# Altium PCB BoardM.PcbDoc (part 3 of 6)
Units mil, origin at the board's own origin, x right, y up, seen from the top; angles counter-clockwise.
Board outline 5068.79 x 4143.89 mil, 4 copper layers (Top Layer, GND, VCC, Bottom Layer); 308 components, 198 nets, 1036 pads, 534 vias.
Unrouted connection lines stored in the file: 1.
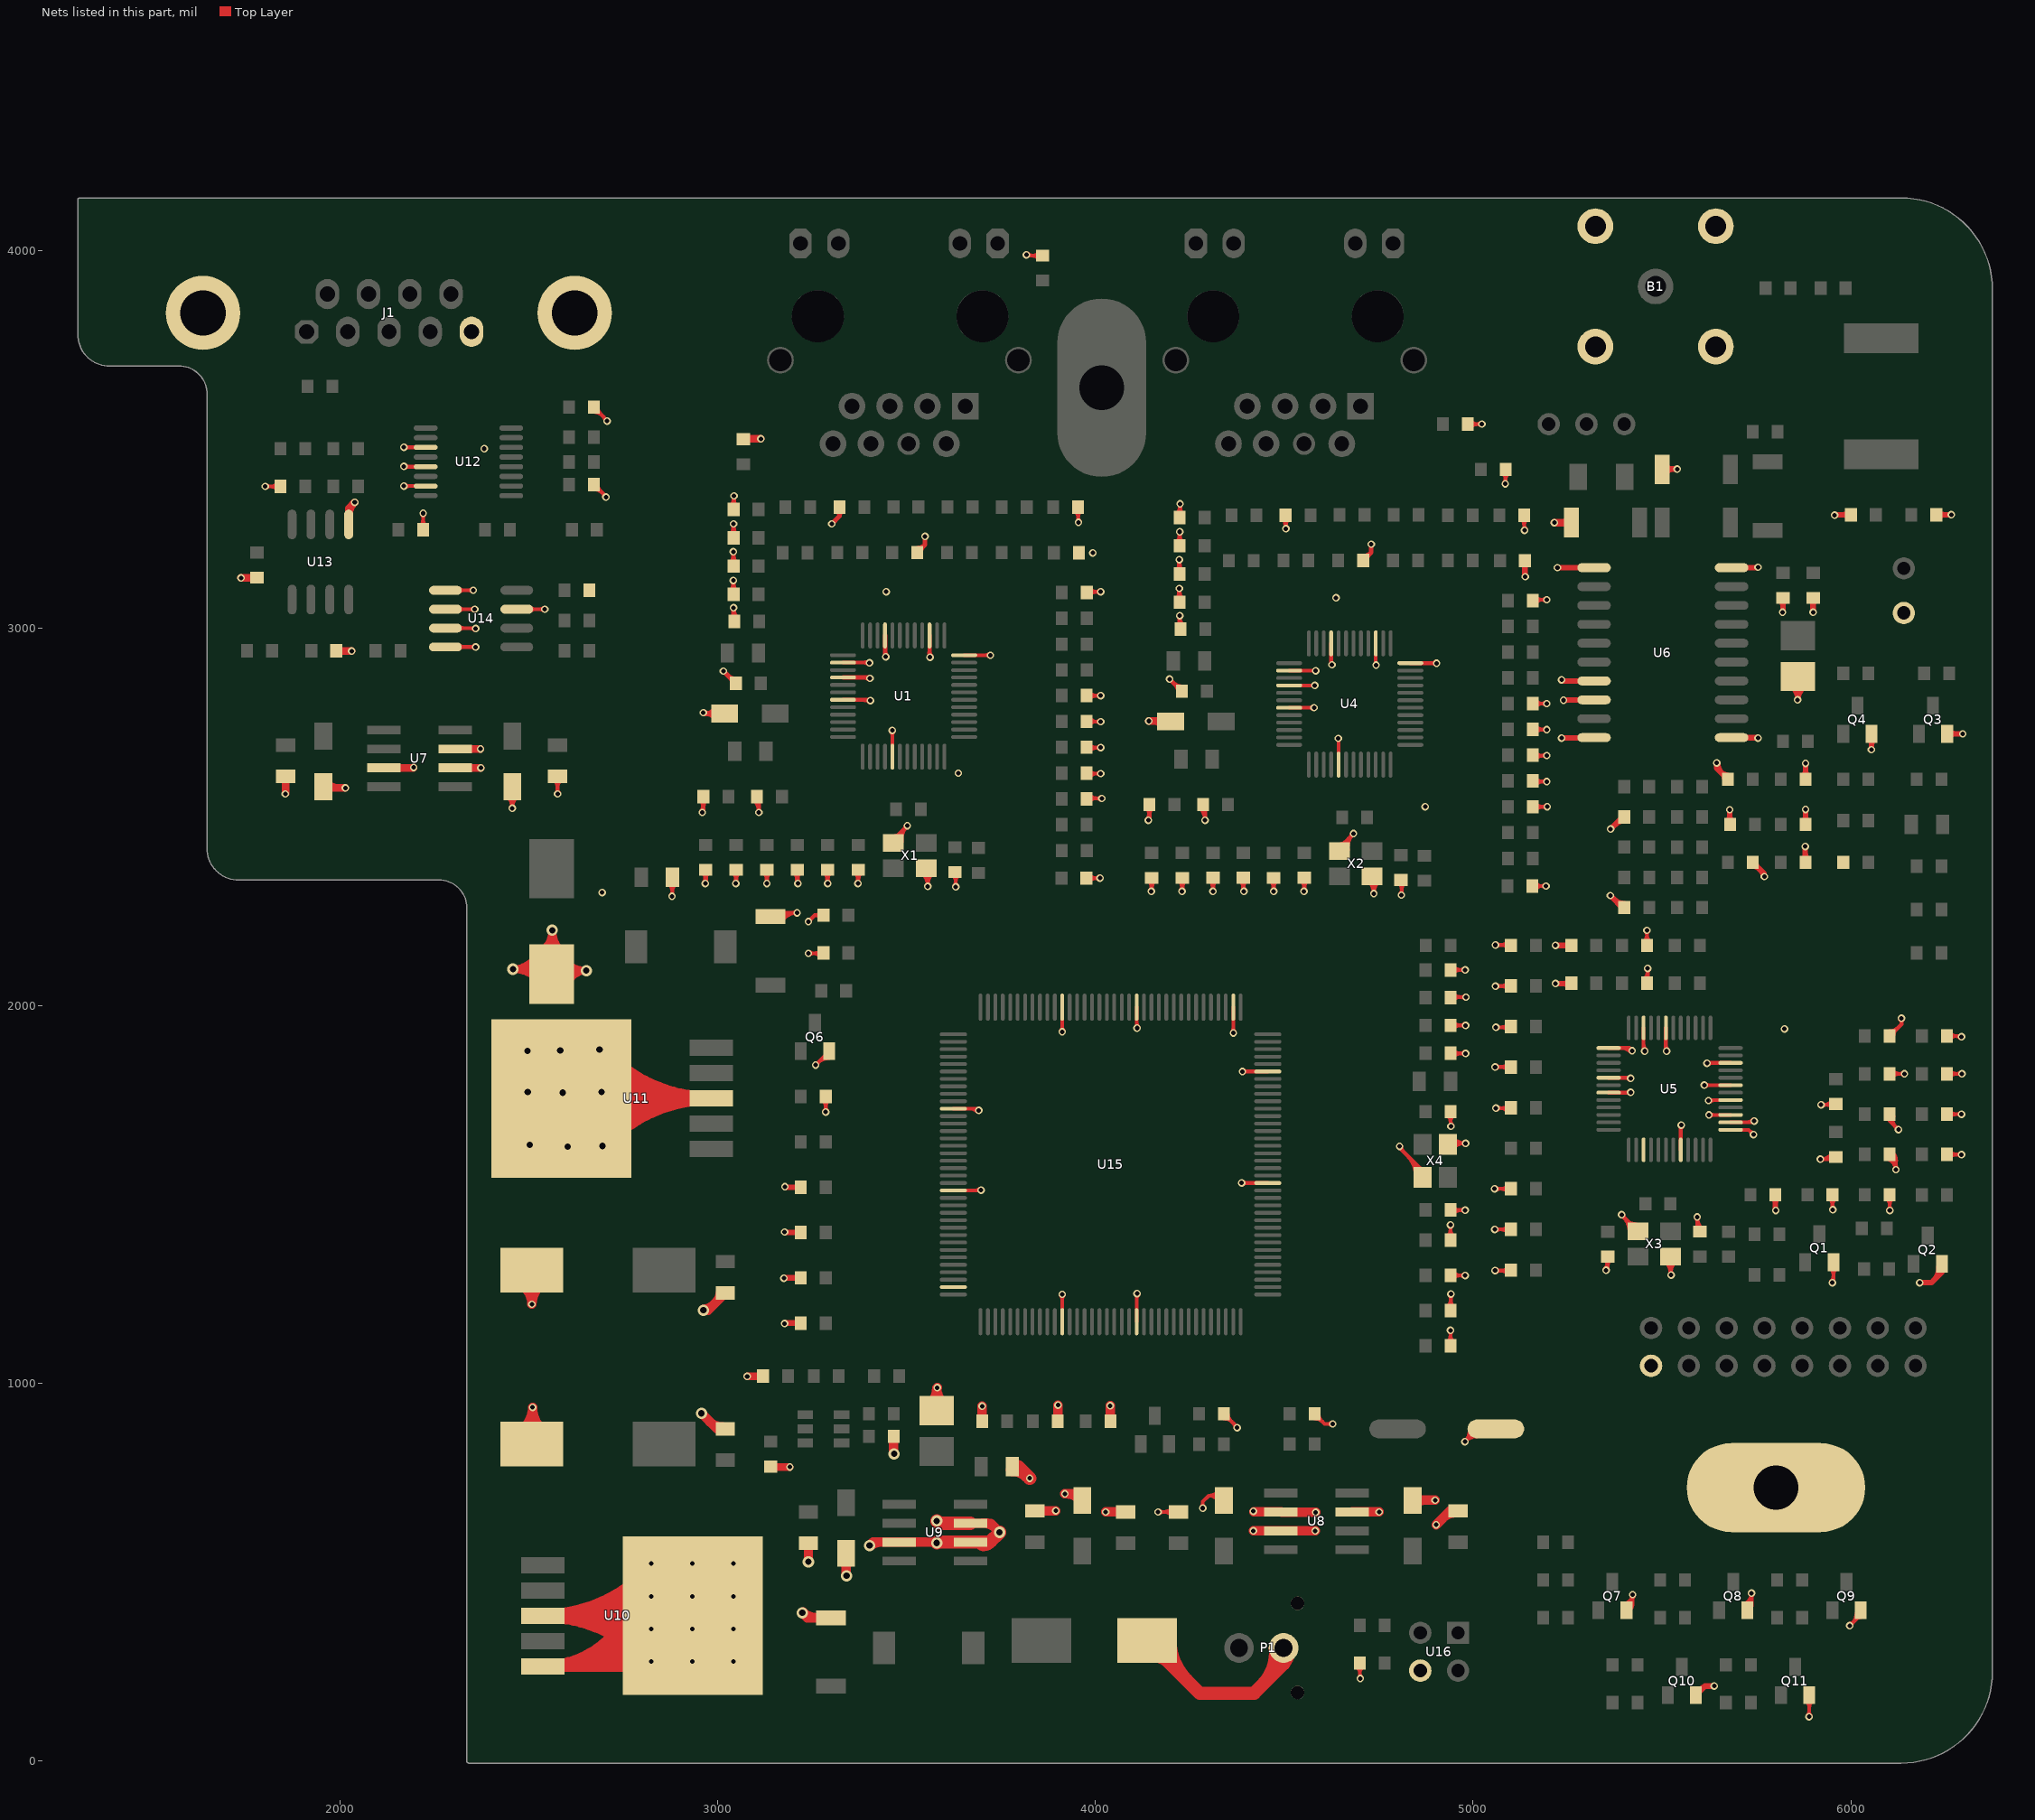
[diagram p5: the nets of this part, all layers, seen from the top]

## Via types
v1: diameter 20, hole 12, Top Layer to Bottom Layer, 480 vias
v2: diameter 30, hole 17, Top Layer to Bottom Layer, 54 vias

## Nets (pads, with @x,y where several pads share a name; then routed paths per layer and width w, separated by ;. In a path a pad name is that pad's centre, name@x,y a point inside that pad or via, vN(x,y) a via of type N, cw(c..) or ccw(c..) an arc to the next point about the centre after c; other vN are vias at no path point) (continued)
GND: B1.1 C1.1 C2.2 C3.1 C5.1 C6.1 C8.2 C9.2 C10.2 C11.2 C12.2 C13.2 C14.1 C15.2 C16.2 C17.2 C18.2 C19.2 C20.2 C21.2 C22.2 C23.1 C24.1 C25.1 C26.2 C27.1 C29.1 C30.1 C32.2 C33.2 C34.2 C35.2 C36.2 C37.2 C38.1 C39.2 C40.2 C41.2 C42.2 C43.2 C44.2 C45.2 C46.2 C47.1 C48.1 C49.2 C50.2 C51.2 C52.2 C55.1 C56.1 C57.1 C58.1 C59.1 C60.1 C61.1 C62.1 C63.1 C64.1 C66.1 C67.1 C68.1 C69.2 C70.1 C71.1 C72.1 C73.1 C74.1 C75.2 C77.1 C79.1 C80.1 C81.1 C82.1 C83.1 C86.1 C87.1 C88.1 C90.2 C91.2 C92.2 C93.2 C94.2 C95.2 C96.1 C97.1 C98.1 C99.1 C100.1 C101.1 C102.1 C103.1 C104.1 C105.1 C106.1 C107.1 C108.1 C109.1 C110.2 C112.2 C114.1 C115.1 C116.2 C117.1 C118.1 C119.1 C120.1 C122.1 C123.1 C124.1 C125.1 C126.1 C127.1 C128.1 C129.1 C130.1 C131.1 C132.1 C133.1 C134.1 C135.1 C138.1 C139.1 C140.1 D1.1 D2.1 D5.1 D6.1 J1.0 J1.5 J1.10 K1.1 L6.1 P1.2 pad.0@5801.6,724.45 Power.2 Q1.1 Q2.1 Q3.1 Q4.1 Q6.1 Q7.1 Q8.1 Q9.1 Q10.1 Q11.1 R8.1 R9.2 R13.1 R15.1 R17.1 R19.1 R20.1 R28.1 R29.2 R33.1 R35.1 R37.1 R39.1 R40.1 R45.2 R49.2 R55.1 R60.1 R61.1 R62.1 R63.1 R73.1 R76.1 R94.1 R99.2 R102.1 R103.1 R106.2 R107.1 R108.1 R110.1 U1.3 U1.9 U1.14 U1.16 U1.19 U1.29 U1.48 U4.3 U4.9 U4.14 U4.16 U4.19 U4.29 U4.48 U5.7 U5.10 U5.13 U5.17 U5.19 U5.27 U5.32 U5.37 U5.38 U5.39 U5.41 U5.43 U5.46 U6.1 U7.3 U7.6 U7.7 U8.3 U8.6 U8.7 U9.3 U9.6 U9.7 U10.3 U10.5 U10.6 U11.3 U11.6 U12.11 U12.13 U12.15 U13.5 U14.1 U14.2 U14.3 U14.4 U14.7 U15.16 U15.31 U15.38 U15.51 U15.61 U15.83 U15.94 U15.107 U15.120 U15.130 U16.4 X1.2 X1.4 X2.2 X2.4 X3.2 X3.4 X4.2 X4.4 | length 29480.3
  Top Layer w10: v1(1802,3375) R99.2@1842,3375 ; v1@1805.54,3371.46 cw(c1814.07,3362.93) 1814.07,3375 cw(c1814.07,3387.07) v1@1805.54,3378.54 ; R99.2@1834.4,3367.4 ccw(c1816.05,3349.05) 1816.05,3375 ccw(c1816.05,3400.95) R99.2@1834.4,3382.6 ; v1(2169,3376) U12.15@2226.81,3376.02 ; v1@2169.61,3478.39 U12.11@2226.81,3478.39 ; v1@2169.8,3427.2 U12.13@2226.81,3427.2 ; v1@2172.54,3372.46 cw(c2181.13,3363.87) 2181.13,3376.02 ; v1@2172.54,3379.54 ccw(c2181.01,3388.01) 2181.01,3376.02 ; v1@2172.54,3424.46 cw(c2179.15,3417.85) 2179.15,3427.2 ; v1@2172.54,3431.54 ccw(c2182.99,3441.99) 2182.99,3427.2 ; v1@2172.54,3475.46 cw(c2179.59,3468.41) 2179.59,3478.39 ; v1@2172.54,3482.54 ccw(c2182.55,3492.55) 2182.55,3478.39 ; C115.1@2212.4,3269.57 ccw(c2194.05,3287.92) 2220,3287.92 ccw(c2245.95,3287.92) C115.1@2227.6,3269.57 ; v1@2216.46,3300.46 cw(c2207.93,3291.93) 2220,3291.93 cw(c2232.07,3291.93) v1@2223.54,3300.46 ; C115.1@2220,3260 v1(2220,3304) ; U14.4@2279,2950 v1(2359,2950) ; U14.3@2279,3000 v1@2358,3000 ; U14.2@2279,3050 v1(2357,3050) ; U14.1@2279,3100 v1(2353,3100) ; U14.4@2315.31,2945.18 cw(c2326.94,2933.56) 2326.94,2950 cw(c2326.94,2966.44) U14.4@2315.31,2954.82 ; U14.3@2315.31,2995.18 cw(c2326.94,2983.56) 2326.94,3000 cw(c2326.94,3016.44) U14.3@2315.31,3004.82 ; U14.2@2315.31,3045.18 cw(c2326.94,3033.56) 2326.94,3050 cw(c2326.94,3066.44) U14.2@2315.31,3054.82 ; U14.1@2315.31,3095.18 cw(c2326.94,3083.56) 2326.94,3100 cw(c2326.94,3116.44) U14.1@2315.31,3104.82 ; 2344.51,3000 cw(c2344.51,2984.51) v1@2355.46,2995.46 ; v1@2349.46,3096.46 ccw(c2340.93,3087.93) 2340.93,3100 ccw(c2340.93,3112.07) v1@2349.46,3103.54 ; v1@2353.46,3046.46 ccw(c2344.93,3037.93) 2344.93,3050 ccw(c2344.93,3062.07) v1@2353.46,3053.54 ; v1@2355.46,2946.46 ccw(c2346.93,2937.93) 2346.93,2950 ccw(c2346.93,2962.07) v1@2355.46,2953.54 ; C100.1@2442.83,2555.1 cw(c2411.04,2523.31) 2456,2523.31 cw(c2500.96,2523.31) C100.1@2469.17,2555.1 ; v1@2452.46,2526.54 ccw(c2443.93,2535.07) 2456,2535.07 ccw(c2468.07,2535.07) v1@2459.54,2526.54 ; v1(2456,2523) C100.1@2456,2580.08 ; U14.7@2467.98,3050 v1(2542,3050) ; U14.7@2504.29,3045.18 cw(c2515.92,3033.56) 2515.92,3050 cw(c2515.92,3066.44) U14.7@2504.29,3054.82 ; v1@2538.46,3046.46 ccw(c2529.93,3037.93) 2529.93,3050 ccw(c2529.93,3062.07) v1@2538.46,3053.54 ; C90.2@2567.01,2598.33 cw(c2545.3,2576.62) 2576,2576.62 cw(c2606.7,2576.62) C90.2@2584.99,2598.33 ; v1@2572.46,2564.54 ccw(c2563.93,2573.07) 2576,2573.07 ccw(c2588.07,2573.07) v1@2579.54,2564.54 ; v1(2576,2561) C90.2@2576,2607.32 ; C112.2@2672.15,3367.28 cw(c2672.15,3336.58) 2693.86,3358.29 ; C112.2@2672.15,3380 2704,3348.15 v1(2704,3347) ; C110.2@2672.15,3572.28 cw(c2672.15,3541.58) 2693.86,3563.29 ; C110.2@2672.15,3585 2707,3550.15 v1(2707,3548) ; C112.2@2682.9,3378.03 ccw(c2704.09,3378.03) 2689.11,3363.04 ; C110.2@2682.9,3583.03 ccw(c2704.09,3583.03) 2689.11,3568.04 ; 2694.65,3357.5 cw(c2684.15,3347) v1@2699,3347 ; 2696.94,3560.2 cw(c2684.74,3548) v1@2702,3548 ; 2697.43,3354.72 ccw(c2704,3361.3) v1@2704,3352 ; C98.1@2871.01,2323.13 cw(c2849.3,2301.43) 2880,2301.43 cw(c2910.7,2301.43) C98.1@2888.99,2323.13 ; v1@2875.46,2293.54 ccw(c2864.51,2304.49) 2880,2304.49 ; v1(2879,2290) 2880,2291 C98.1@2880,2340 ; D6.1@3150,2246 v1(3210,2246) ccw(c3210,2197.07) D6.1@3171.3,2227.01 ; D6.1@3163.39,2233.13 cw(c3189.62,2212.84) 3189.62,2246 ; v1@3206.46,2242.46 ccw(c3197.93,2233.93) 3197.93,2246 ccw(c3197.93,2258.07) v1@3206.46,2249.54 ; v1(3240,2139) 3279,2139 C127.1@3280,2140 ; v1(3240,2223) 3257,2240 ; v1@3240,2228 ccw(c3240,2240.07) 3248.54,2231.54 ccw(c3257.07,2223) v1@3245,2223 ; v1@3243.54,2135.46 cw(c3252.07,2126.93) 3252.07,2139 cw(c3252.07,2151.07) v1@3243.54,2142.54 ; 3251.71,2139 cw(c3251.71,2109.75) C127.1@3272.4,2130.43 ; 3256.39,2139 ccw(c3256.39,2161.64) C127.1@3272.4,2145.63 ; v1(3259,1843) 3294.8,1878.8 Q6.1@3294.8,1880 ; v1@3259,1848 ccw(c3259,1860.07) 3267.54,1851.54 ccw(c3276.07,1843) v1@3264,1843 ; v1@3265.06,1849.06 cw(c3294.8,1819.31) Q6.1@3294.8,1861.38 ; C120.1@3271.75,2233.11 ccw(c3257,2220.77) 3257,2240 ; C120.1@3271.75,2246.89 cw(c3257,2259.23) 3257,2240 ; R76.1@3278.25,1750.43 cw(c3259.9,1732.08) 3285.85,1732.08 cw(c3311.8,1732.08) R76.1@3293.45,1750.43 ; C120.1@3280,2240 3257,2240 ; v1@3282.46,1722.54 ccw(c3274.29,1730.71) 3285.85,1730.71 ; 3285.85,1731.43 ccw(c3298.43,1731.43) v1@3289.54,1722.54 ; R76.1@3285.85,1760 3285.85,1719.15 v1(3286,1719) ; U1.19@3331.57,2810.16 v1@3401.84,2810.16 ; U1.14@3331.57,2908.58 v1@3401.42,2908.58 ; v1@3458.46,2725.46 cw(c3448.79,2715.79) 3462.47,2715.79 ; v1(3462,2729) 3462.47,2728.53 U1.29@3462.47,2659.57 ; 3462.47,2718.07 cw(c3472.93,2718.07) v1@3465.54,2725.46 ; X1.4@3465,2430.93 3465,2440 v1(3502,2477) ccw(c3538.45,2440.54) X1.4@3487.38,2433.48 ; X1.4@3468.94,2449.55 ccw(c3468.94,2463.1) X1.4@3478.52,2453.52 ; X1.4@3477.48,2432.11 cw(c3513.47,2437.09) 3487.78,2462.78 ; v1@3497,2477 cw(c3484.93,2477) 3493.46,2468.46 cw(c3502,2459.93) v1@3502,2472 ; X1.2@3542.38,2350.83 cw(c3509.51,2317.96) v1@3556,2317.96 ; X1.2@3551.61,2364 3556,2359.61 v1(3556,2316) ; v1@3552.46,2319.54 ccw(c3543.93,2328.07) 3556,2328.07 ccw(c3568.07,2328.07) v1@3559.54,2319.54 ; v1@3556,2320.13 cw(c3599.43,2320.13) X1.2@3568.72,2350.83 ; v1@3560.9,2924.1 U1.3@3560.9,2980.43 ; C1.1@3622.37,2346.4 cw(c3603.94,2327.98) 3630,2327.98 ; U15.94@3623.66,1511.1 v1@3696.1,1511.1 ; U15.83@3623.66,1727.64 3686.36,1727.64 v1(3691,1723) ; v1@3626.46,2318.54 ccw(c3617.93,2327.07) 3630,2327.07 ccw(c3642.07,2327.07) v1@3633.54,2318.54 ; C1.1@3628,2354 3630,2352 v1(3630,2315) ; 3630,2328.13 cw(c3655.84,2328.13) C1.1@3637.57,2346.4 ; U1.48@3652.43,2928.27 v1@3721.73,2928.27 ; 3667.73,1727.64 cw(c3667.73,1699.73) v1@3687.46,1719.46 ; 3682.76,1511.1 ccw(c3682.76,1526.24) v1@3693.46,1515.54 ; 3709.28,2928.27 cw(c3709.28,2915.28) v1@3718.46,2924.46 ; 3710.58,2928.27 ccw(c3710.58,2939.42) v1@3718.46,2931.54 ; v1(3817,3988) 3819,3986 C20.2@3860,3986 ; v1@3820.54,3991.54 ccw(c3833.9,4004.9) 3833.9,3986 ; C20.2@3850.43,3978.4 ccw(c3832.08,3960.05) 3832.08,3986 ccw(c3832.08,4011.95) C20.2@3850.43,3993.6 ; v1@3908.46,1232.46 cw(c3899.81,1223.82) 3912.05,1223.82 ; v1@3908.46,1934.54 ccw(c3899.81,1943.19) 3912.05,1943.19 ; v1(3912,1931) v1(3912,1931) U15.61@3912.05,1996.34 ; U15.120@3912.05,1163.66 v1(3912,1236) ; 3912.05,1224.04 cw(c3923.96,1224.04) v1@3915.54,1232.46 ; 3912.05,1942.96 ccw(c3923.96,1942.96) v1@3915.54,1934.54 ; C2.2@3946.4,3310.43 cw(c3928.05,3292.08) 3954,3292.08 cw(c3979.95,3292.08) C2.2@3961.6,3310.43 ; 3954,3294.49 ccw(c3969.49,3294.49) v1@3958.54,3283.54 ; C2.2@3954,3320 3954,3281 v1(3955,3280) ; C9.2@3976,2338 v1(4012,2338) ; R13.1@3976.85,2547.97 3977.88,2549 v1(4017,2549) ; R20.1@3977.11,2821 v1(4014,2821) ; R19.1@3977.54,2752.25 v1(4014,2752.25) ; R17.1@3977.97,2683.5 v1(4014,2683.5) ; R15.1@3978.39,2614.75 v1(4014,2614.75) ; C15.2@3979,3096 v1(4014,3096) ; C9.2@3983.6,2330.4 cw(c4001.95,2312.05) 4001.95,2338 cw(c4001.95,2363.95) C9.2@3983.6,2345.6 ; R13.1@3984.45,2542.34 cw(c4000.53,2526.26) 4000.53,2549 ; R13.1@3984.45,2557.54 ccw(c4005.07,2578.15) 4005.07,2549 ; R15.1@3984.45,2606.73 cw(c4003.82,2587.35) 4003.82,2614.75 ; R15.1@3984.45,2621.93 ccw(c4001.77,2639.25) 4001.77,2614.75 ; R17.1@3984.45,2675.05 cw(c4004.85,2654.65) v1@4004.85,2683.5 ; R17.1@3984.45,2690.25 ccw(c4000.74,2706.54) 4000.74,2683.5 ; R19.1@3984.45,2745.34 cw(c4001.13,2728.66) 4001.13,2752.25 ; R19.1@3984.45,2760.54 ccw(c4004.47,2780.56) v1@4004.47,2752.25 ; R20.1@3984.45,2813.66 cw(c4002.16,2795.96) 4002.16,2821 ; R20.1@3984.45,2828.86 ccw(c4003.44,2847.85) 4003.44,2821 ; C15.2@3984.6,3088.37 cw(c4003.03,3069.94) 4003.03,3096 ; C15.2@3984.6,3103.57 ccw(c4002.87,3121.84) 4002.87,3096 ; v1@4008.46,2334.46 ccw(c3999.93,2325.93) 3999.93,2338 ccw(c3999.93,2350.07) v1@4008.46,2341.54 ; v1@4010.46,2611.21 ccw(c4001.93,2602.68) 4001.93,2614.75 ccw(c4001.93,2626.82) v1@4010.46,2618.29 ; v1@4010.46,2679.96 ccw(c4001.93,2671.43) 4001.93,2683.5 ccw(c4001.93,2695.57) v1@4010.46,2687.04 ; v1@4010.46,2748.71 ccw(c4001.93,2740.18) 4001.93,2752.25 ccw(c4001.93,2764.32) v1@4010.46,2755.79 ; v1@4010.46,2817.46 ccw(c4001.93,2808.93) 4001.93,2821 ccw(c4001.93,2833.07) v1@4010.46,2824.54 ; v1@4010.46,3092.46 ccw(c4001.93,3083.93) 4001.93,3096 ccw(c4001.93,3108.07) v1@4010.46,3099.54 ; v1@4013.46,2545.46 ccw(c4004.93,2536.93) 4004.93,2549 ccw(c4004.93,2561.07) v1@4013.46,2552.54 ; U15.130@4108.9,1163.66 v1@4108.9,1236.9 ; 4108.9,1223.27 cw(c4124.73,1223.27) v1@4113.54,1234.46 ; v1@4108.9,1942.1 U15.51@4108.9,1996.34 ; 4108.9,1955.73 ccw(c4124.73,1955.73) v1@4113.54,1944.54 ; v1(4166,660) C92.2@4220,660 ; v1@4169.54,656.46 cw(c4178.07,647.93) 4178.07,660 cw(c4178.07,672.07) v1@4169.54,663.54 ; C92.2@4203.13,651.01 ccw(c4181.43,629.3) 4181.43,660 ccw(c4181.43,690.7) C92.2@4203.13,668.99 ; v1@4280.46,673.54 ccw(c4271.93,682.07) 4284,682.07 ccw(c4296.07,682.07) v1@4287.54,673.54 ; v1(4284,670) 4284,687 4300,703 ; C102.1@4325.15,690.49 ccw(c4300,671.46) 4300,703 ; C102.1@4326.4,714.45 cw(c4300,739.15) 4300,703 ; C102.1@4340,689.92 4326.92,703 4300,703 ; R73.1@4340,907.28 cw(c4340,876.58) 4361.71,898.29 ; R73.1@4340,920 4375,885 v1(4375,883) ; R73.1@4350.75,918.03 ccw(c4371.94,918.03) 4356.96,903.04 ; v1@4361.46,1931.54 ccw(c4353.4,1939.6) 4364.8,1939.6 ; 4364.8,1940.55 ccw(c4377.55,1940.55) v1@4368.54,1931.54 ; U15.38@4364.8,1996.34 4364.8,1928.2 v1(4365,1928) ; 4365.05,894.95 cw(c4353.1,883) v1@4370,883 ; v1@4387.21,1530.79 U15.16@4456.34,1530.79 ; v1@4389.06,1826.06 U15.31@4456.34,1826.06 ; v1@4390.54,1527.46 cw(c4398.56,1519.44) 4398.56,1530.79 ; v1@4390.54,1534.54 ccw(c4399.58,1543.58) 4399.58,1530.79 ; v1@4392.54,1822.46 cw(c4401.22,1813.78) 4401.22,1826.06 ; v1@4392.54,1829.54 ccw(c4400.92,1837.92) 4400.92,1826.06 ; U4.16@4510.55,2848.21 v1(4580.57,2848.21) ; U4.14@4512.57,2887.58 v1@4582.42,2887.58 ; U4.19@4512.77,2789.16 v1(4578.84,2789.16) ; v1@4575.31,2785.62 ccw(c4566.77,2777.09) 4566.77,2789.16 ccw(c4566.77,2801.23) v1@4575.31,2792.69 ; C118.1@4580,907.28 cw(c4580,876.58) 4601.71,898.29 ; C118.1@4580,920 4607,893 v1(4628,893) ; C118.1@4590.75,918.03 ccw(c4611.94,918.03) 4596.96,903.04 ; v1@4623.79,2905.21 U4.9@4623.79,2959.43 ; v1@4624.46,889.46 ccw(c4615.93,880.93) 4615.93,893 ccw(c4615.93,905.07) v1@4624.46,896.54 ; U4.29@4643.47,2638.57 v1@4643.47,2707.53 ; X2.4@4646,2409.93 4646,2419 v1(4683,2456) ccw(c4719.45,2419.54) X2.4@4668.38,2412.48 ; X2.4@4649.94,2428.55 ccw(c4649.94,2442.1) X2.4@4659.52,2432.52 ; X2.4@4658.48,2411.11 cw(c4694.47,2416.09) 4668.78,2441.78 ; v1@4678,2456 cw(c4665.93,2456) 4674.46,2447.46 cw(c4683,2438.93) v1@4683,2451 ; R106.2@4692.25,250.43 cw(c4673.9,232.08) 4699.85,232.08 cw(c4725.8,232.08) R106.2@4707.45,250.43 ; 4699.85,233.85 ccw(c4715.85,233.85) v1@4704.54,222.54 ; R106.2@4699.85,260 4699.85,220.15 v1(4701,219) ; X2.2@4723.38,2329.83 cw(c4690.51,2296.96) v1(4737,2297) ; X2.2@4732.61,2343 4737,2338.61 v1@4737,2295 ; v1@4733.46,2300.54 ccw(c4724.93,2309.07) 4737,2309.07 ccw(c4749.07,2309.07) v1@4740.54,2300.54 ; v1@4737,2299.13 cw(c4780.43,2299.13) X2.2@4749.72,2329.83 ; v1@4741.9,2903.1 U4.3@4741.9,2959.43 ; C25.1@4803.37,2325.4 cw(c4784.94,2306.98) 4811,2306.98 ; v1(4805,1628) 4805,1624.12 4866.07,1563.05 X4.4@4866.07,1546 ; v1@4806.46,2296.54 ccw(c4795.51,2307.49) 4811,2307.49 ; C25.1@4809,2333 4811,2331 v1@4811,2294 ; v1@4810,1628 ccw(c4831.44,1628) 4816.28,1612.84 ; 4811,2307.13 cw(c4836.84,2307.13) C25.1@4818.57,2325.4 ; 4825.01,1604.11 cw(c4770.84,1549.94) X4.4@4847.45,1549.94 ; U4.48@4833.43,2907.27 v1@4902.73,2907.27 ; 4842.08,1587.04 cw(c4804.98,1549.94) X4.4@4857.45,1549.94 ; X4.4@4856.66,1572.46 ccw(c4866.07,1581.86) X4.4@4866.07,1568.56 ; 4890.28,2907.27 cw(c4890.28,2894.28) v1@4899.46,2903.46 ; 4891.58,2907.27 ccw(c4891.58,2918.42) v1@4899.46,2910.54 ; C132.1@4932.4,1109.57 ccw(c4914.05,1127.92) 4940,1127.92 ccw(c4965.95,1127.92) C132.1@4947.6,1109.57 ; R107.1@4932.4,1202.9 ccw(c4911.64,1223.66) 4941,1223.66 ; C130.1@4932.4,1389.57 ccw(c4914.05,1407.92) 4940,1407.92 ccw(c4965.95,1407.92) C130.1@4947.6,1389.57 ; C117.1@4932.4,1710.43 cw(c4914.05,1692.08) 4940,1692.08 cw(c4965.95,1692.08) C117.1@4947.6,1710.43 ; X4.2@4936.39,1636 v1(4980,1636) ; v1@4936.46,1137.46 cw(c4927.93,1128.93) 4940,1128.93 cw(c4952.07,1128.93) v1@4943.54,1137.46 ; v1@4936.46,1416.46 cw(c4927.93,1407.93) 4940,1407.93 cw(c4952.07,1407.93) v1@4943.54,1416.46 ; v1@4937.46,1233.46 cw(c4928.93,1224.93) 4941,1224.93 cw(c4953.07,1224.93) v1@4944.54,1233.46 ; C132.1@4940,1100 v1(4940,1141) ; R107.1@4940,1193.33 4941,1194.33 v1(4941,1237) ; C131.1@4940,1286.67 4940.67,1286 v1(4979,1286) ; C130.1@4940,1380 v1(4940,1420) ; C119.1@4940,1460 4941,1459 v1(4979,1459) ; 4940,1695.49 ccw(c4955.49,1695.49) v1@4944.54,1684.54 ; C117.1@4940,1720 4940,1682 v1(4941,1681) ; C122.1@4940,1875 4941,1874 v1(4980,1874) ; R108.1@4940,2095 v1(4979,2095) ; C128.1@4940.33,1948 v1(4980,1948) ; 4941,1218.84 ccw(c4963.53,1218.84) R107.1@4947.6,1202.9 ; C129.1@4941.33,2023 v1(4981,2023) ; X4.2@4946.17,1623.38 cw(c4976.63,1592.92) v1@4976.63,1636 ; X4.2@4946.17,1649.72 ccw(c4979.29,1682.84) v1@4979.29,1636 ; C131.1@4947.6,1279.07 cw(c4964.34,1262.33) 4964.34,1286 ; C131.1@4947.6,1294.27 ccw(c4967.56,1314.22) 4967.56,1286 ; C119.1@4947.6,1450.43 cw(c4968.29,1429.75) 4968.29,1459 ; C119.1@4947.6,1465.63 ccw(c4963.61,1481.64) 4963.61,1459 ; C122.1@4947.6,1865.43 cw(c4968.29,1844.75) 4968.29,1874 ; C122.1@4947.6,1880.63 ccw(c4963.61,1896.64) 4963.61,1874 ; C128.1@4947.6,1940.73 cw(c4965.14,1923.19) 4965.14,1948 ; C128.1@4947.6,1955.93 ccw(c4966.75,1975.09) 4966.75,1948 ; C129.1@4947.6,2016.04 cw(c4964.41,1999.22) 4964.41,2023 ; C129.1@4947.6,2031.24 ccw(c4967.48,2051.12) 4967.48,2023 ; R108.1@4947.6,2087.4 cw(c4965.95,2069.05) 4965.95,2095 cw(c4965.95,2120.95) R108.1@4947.6,2102.6 ; v1@4975.46,1282.46 ccw(c4966.93,1273.93) 4966.93,1286 ccw(c4966.93,1298.07) v1@4975.46,1289.54 ; v1@4975.46,1455.46 ccw(c4966.93,1446.93) 4966.93,1459 ccw(c4966.93,1471.07) v1@4975.46,1462.54 ; v1@4975.46,2091.46 ccw(c4966.93,2082.93) 4966.93,2095 ccw(c4966.93,2107.07) v1@4975.46,2098.54 ; v1@4976.46,1632.46 ccw(c4967.93,1623.93) 4967.93,1636 ccw(c4967.93,1648.07) v1@4976.46,1639.54 ; v1@4976.46,1870.46 ccw(c4967.93,1861.93) 4967.93,1874 ccw(c4967.93,1886.07) v1@4976.46,1877.54 ; v1@4976.46,1944.46 ccw(c4967.93,1935.93) 4967.93,1948 ccw(c4967.93,1960.07) v1@4976.46,1951.54 ; v1@4977.46,2019.46 ccw(c4968.93,2010.93) 4968.93,2023 ccw(c4968.93,2035.07) v1@4977.46,2026.54 ; v1(4978,846) 5012,880 K1.1@5060,880 ; v1@4978,851 ccw(c4978,863.07) 4986.54,854.54 ccw(c4995.07,846) v1@4983,846 ; v1@4979,847 ccw(c4951.76,874.24) K1.1@4990.1,878.03 ; v1@4979.27,847.27 cw(c5010,816.54) K1.1@5010,860 ; C44.2@4986,3540 v1(5023,3540) ; C44.2@4993.6,3532.4 cw(c5011.95,3514.05) 5011.95,3540 cw(c5011.95,3565.95) C44.2@4993.6,3547.6 ; v1@5019.46,3536.46 ccw(c5010.93,3527.93) 5010.93,3540 ccw(c5010.93,3552.07) v1@5019.46,3543.54 ; v1(5056.44,1515.56) R49.2@5099.85,1515.56 ; v1(5057,1408) R45.2@5099.79,1408 ; v1(5058,1299) C59.1@5099,1299 ; v1(5058,1838) C56.1@5099.5,1838 ; v1(5059,2052) C67.1@5099.5,2052 ; v1(5059,2161) C68.1@5099,2161 ; v1@5059.98,1512.02 cw(c5068.51,1503.49) 5068.51,1515.56 cw(c5068.51,1527.63) v1@5059.98,1519.09 ; v1(5060,1729) C55.1@5099,1729 ; v1(5060,1943) C60.1@5098,1943 ; v1@5060.54,1404.46 cw(c5069.07,1395.93) 5069.07,1408 cw(c5069.07,1420.07) v1@5060.54,1411.54 ; v1@5061.54,1295.46 cw(c5070.07,1286.93) 5070.07,1299 cw(c5070.07,1311.07) v1@5061.54,1302.54 ; v1@5061.54,1834.46 cw(c5070.07,1825.93) 5070.07,1838 cw(c5070.07,1850.07) v1@5061.54,1841.54 ; v1@5062.54,2048.46 cw(c5071.07,2039.93) 5071.07,2052 cw(c5071.07,2064.07) v1@5062.54,2055.54 ; v1@5062.54,2157.46 cw(c5071.07,2148.93) 5071.07,2161 cw(c5071.07,2173.07) v1@5062.54,2164.54 ; v1@5063.54,1725.46 cw(c5072.07,1716.93) 5072.07,1729 cw(c5072.07,1741.07) v1@5063.54,1732.54 ; v1@5063.54,1939.46 cw(c5072.07,1930.93) 5072.07,1943 cw(c5072.07,1955.07) v1@5063.54,1946.54 ; 5071.71,1299 cw(c5071.71,1269.75) C59.1@5092.4,1290.43 ; 5071.71,1729 cw(c5071.71,1699.75) C55.1@5092.4,1720.43 ; 5071.71,2161 ccw(c5071.71,2190.25) C68.1@5092.4,2169.57 ; 5072.84,1838 cw(c5072.84,1810.34) C56.1@5092.4,1829.9 ; 5072.84,2052 ccw(c5072.84,2079.66) C67.1@5092.4,2060.1 ; 5073.76,1408 ccw(c5073.76,1434.15) R45.2@5092.25,1415.66 ; 5073.98,1943 ccw(c5073.98,1969.06) C60.1@5092.4,1950.63 ; 5074.04,1408 cw(c5074.04,1382.25) R45.2@5092.25,1400.46 ; 5074.13,1943 cw(c5074.13,1917.16) C60.1@5092.4,1935.43 ; 5075.26,1838 ccw(c5075.26,1862.24) C56.1@5092.4,1845.1 ; 5075.26,2052 cw(c5075.26,2027.76) C67.1@5092.4,2044.9 ; 5076.39,1299 ccw(c5076.39,1321.64) C59.1@5092.4,1305.63 ; 5076.39,1729 ccw(c5076.39,1751.64) C55.1@5092.4,1735.63 ; 5076.39,2161 cw(c5076.39,2138.36) C68.1@5092.4,2154.37 ; C42.2@5078.4,3410.43 cw(c5060.05,3392.08) 5086,3392.08 cw(c5111.95,3392.08) C42.2@5093.6,3410.43 ; v1@5081.46,3385.54 ccw(c5070.51,3396.49) 5086,3396.49 ; v1(5085,3382) 5086,3383 C42.2@5086,3420 ; R49.2@5092.25,1507.96 ccw(c5073.9,1489.61) 5073.9,1515.56 ccw(c5073.9,1541.51) R49.2@5092.25,1523.16 ; C26.2@5127.4,3289.43 cw(c5109.05,3271.08) 5135,3271.08 cw(c5160.95,3271.08) C26.2@5142.6,3289.43 ; 5135,3273.49 ccw(c5150.49,3273.49) v1@5139.54,3262.54 ; C26.2@5135,3299 5135,3260 v1(5136,3259) ; C33.2@5157,2317 v1(5193,2317) ; R33.1@5157.85,2526.97 v1(5196,2527) ; R40.1@5158.11,2800 v1(5195,2800) ; R39.1@5158.54,2731.25 v1(5195,2731.25) ; R37.1@5158.97,2662.5 v1(5195,2662.5) ; R35.1@5159.39,2593.75 v1(5195,2593.75) ; C39.2@5160,3075 v1(5195,3075) ; C33.2@5164.6,2309.4 cw(c5182.95,2291.05) 5182.95,2317 cw(c5182.95,2342.95) C33.2@5164.6,2324.6 ; R33.1@5165.45,2519.37 cw(c5183.8,2501.02) 5183.8,2526.97 cw(c5183.8,2552.92) R33.1@5165.45,2534.57 ; R35.1@5165.45,2585.73 cw(c5184.82,2566.35) 5184.82,2593.75 ; R35.1@5165.45,2600.93 ccw(c5182.77,2618.25) 5182.77,2593.75 ; R37.1@5165.45,2654.05 cw(c5185.85,2633.65) v1@5185.85,2662.5 ; R37.1@5165.45,2669.25 ccw(c5181.74,2685.54) 5181.74,2662.5 ; R39.1@5165.45,2724.34 cw(c5182.13,2707.66) 5182.13,2731.25 ; R39.1@5165.45,2739.54 ccw(c5185.47,2759.56) v1@5185.47,2731.25 ; R40.1@5165.45,2792.66 cw(c5183.16,2774.96) 5183.16,2800 ; R40.1@5165.45,2807.86 ccw(c5184.44,2826.85) 5184.44,2800 ; C39.2@5165.6,3067.37 cw(c5184.03,3048.94) 5184.03,3075 ; C39.2@5165.6,3082.57 ccw(c5183.87,3100.84) 5183.87,3075 ; 5183.86,2526.97 ccw(c5183.86,2539.14) v1@5192.46,2530.54 ; 5184,2526.97 cw(c5184,2515) v1@5192.46,2523.46 ; v1@5189.46,2313.46 ccw(c5180.93,2304.93) 5180.93,2317 ccw(c5180.93,2329.07) v1@5189.46,2320.54 ; v1@5191.46,2590.21 ccw(c5182.93,2581.68) 5182.93,2593.75 ccw(c5182.93,2605.82) v1@5191.46,2597.29 ; v1@5191.46,2658.96 ccw(c5182.93,2650.43) 5182.93,2662.5 ccw(c5182.93,2674.57) v1@5191.46,2666.04 ; v1@5191.46,2727.71 ccw(c5182.93,2719.18) 5182.93,2731.25 ccw(c5182.93,2743.32) v1@5191.46,2734.79 ; v1@5191.46,2796.46 ccw(c5182.93,2787.93) 5182.93,2800 ccw(c5182.93,2812.07) v1@5191.46,2803.54 ; v1@5191.46,3071.46 ccw(c5182.93,3062.93) 5182.93,3075 ccw(c5182.93,3087.07) v1@5191.46,3078.54 ; C49.2@5348.4,1328.25 cw(c5330.05,1309.9) 5356,1309.9 cw(c5381.95,1309.9) C49.2@5363.6,1328.25 ; v1@5348.46,1303.54 ccw(c5330.27,1321.73) C49.2@5356,1321.73 ; v1@5356,1304 C49.2@5356,1335.85 ; U5.19@5358.58,1770.16 v1@5416.16,1770.16 ; U5.17@5358.58,1809.53 v1@5415.47,1809.53 ; U5.13@5358.58,1888.27 5413.73,1888.27 v1(5421,1881) ; v1(5363,2292) v1@5365,2290 ; 5391.38,1888.27 cw(c5391.38,1851.38) v1@5417.46,1877.46 ; v1@5393,1442 cw(c5393,1432.51) 5399.71,1439.22 ; v1(5393,1447) 5393,1445.93 X3.4@5436,1402.93 ; v1@5397.49,1441.44 cw(c5358.98,1402.93) X3.4@5413.44,1402.93 ; v1@5398,1447 ccw(c5412.66,1447) 5402.29,1436.64 ; 5401.24,1809.53 cw(c5401.24,1792.24) v1@5413.46,1804.46 ; 5402.9,1770.16 ccw(c5402.9,1785.11) v1@5413.46,1774.54 ; Q7.1@5403.61,418.4 ccw(c5398.91,441) v1(5422,441) 5422,416.2 ; Q7.1@5405.65,408.61 ccw(c5401.47,428.71) 5422,428.71 ; Q7.1@5405.8,400 5422,416.2 ; 5406.96,1770.16 cw(c5406.96,1760.96) v1@5413.46,1767.46 ; 5406.99,1431.93 ccw(c5432.06,1457) X3.4@5432.06,1421.55 ; Q7.1@5407.69,398.82 ccw(c5404.03,416.41) 